# Altium PCB Main_R6.PcbDoc
Units mil, origin at the board's own origin, x right, y up, seen from the top; angles counter-clockwise.
Board outline 4400 x 4400 mil, 2 copper layers (Top Layer, Bottom Layer); 67 components, 58 nets, 207 pads, 20 vias.
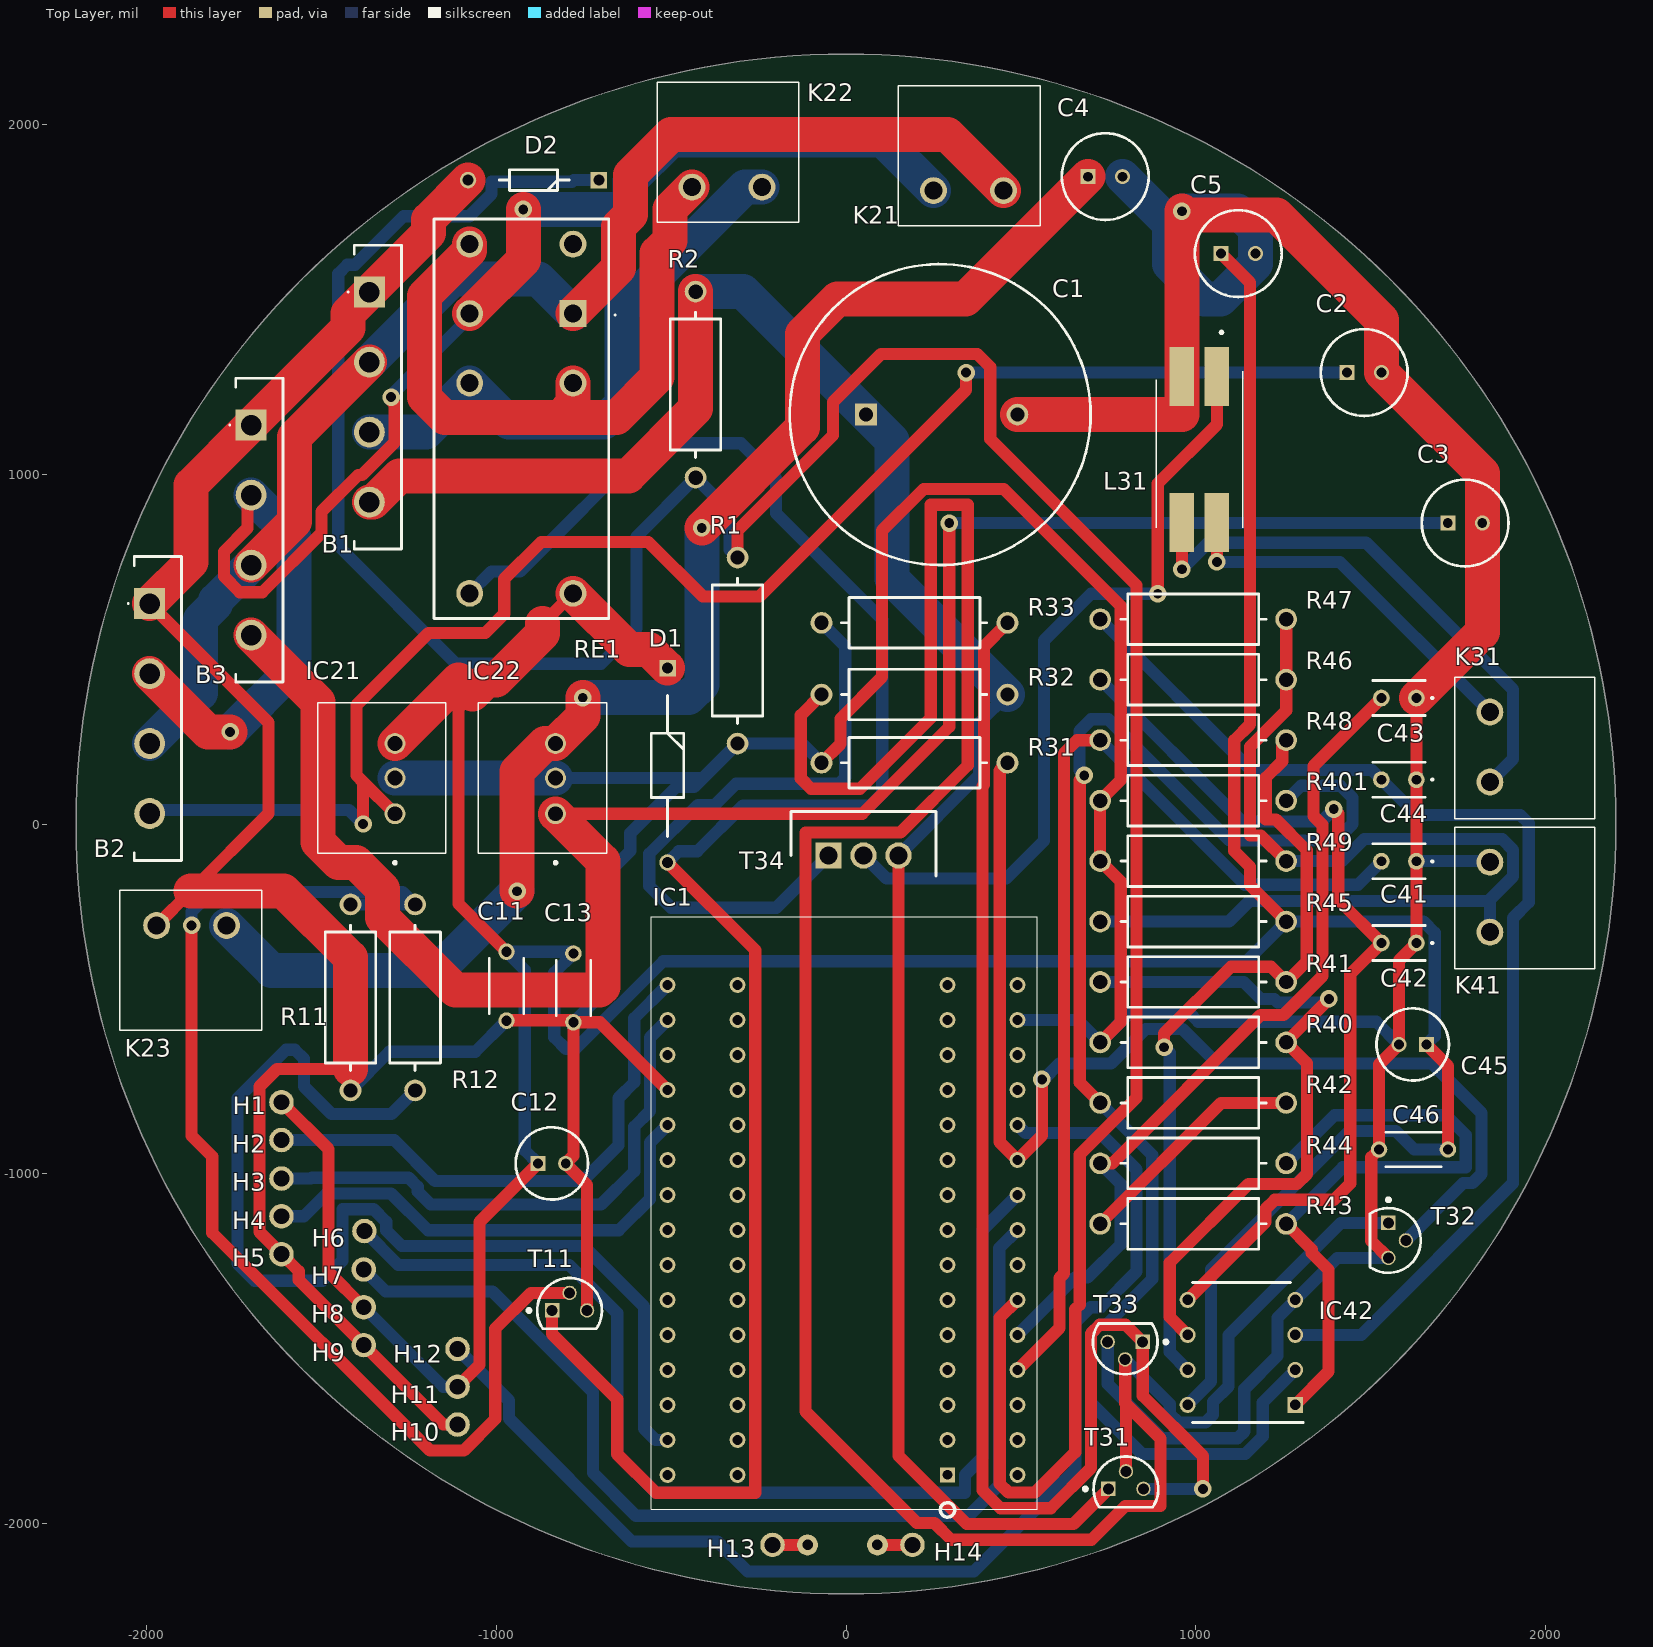
[diagram p0: Top Layer view]
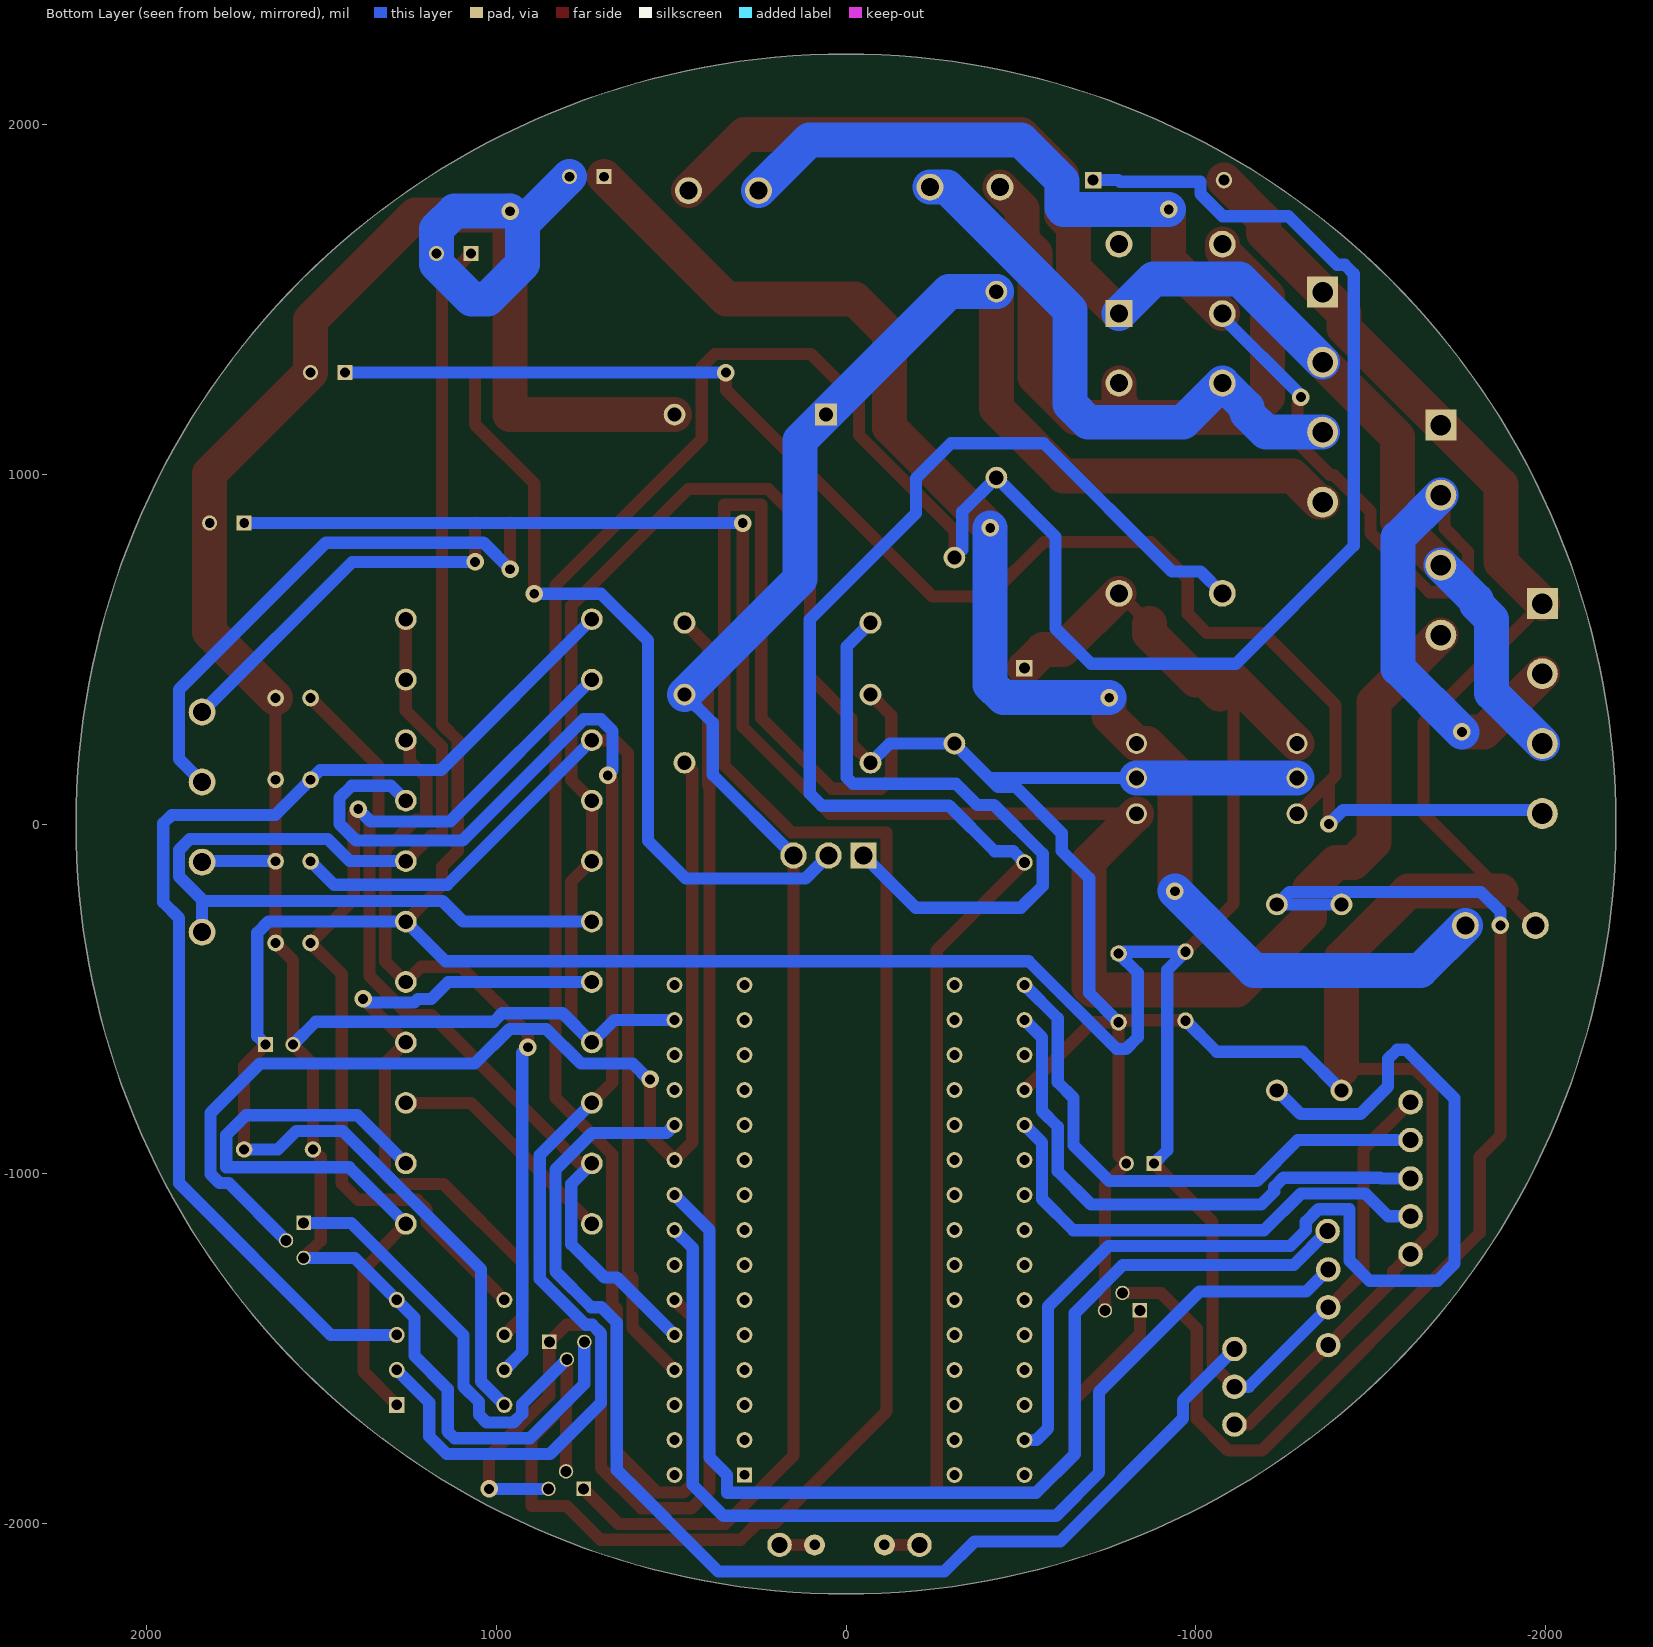
[diagram p1: Bottom Layer view, seen from below]
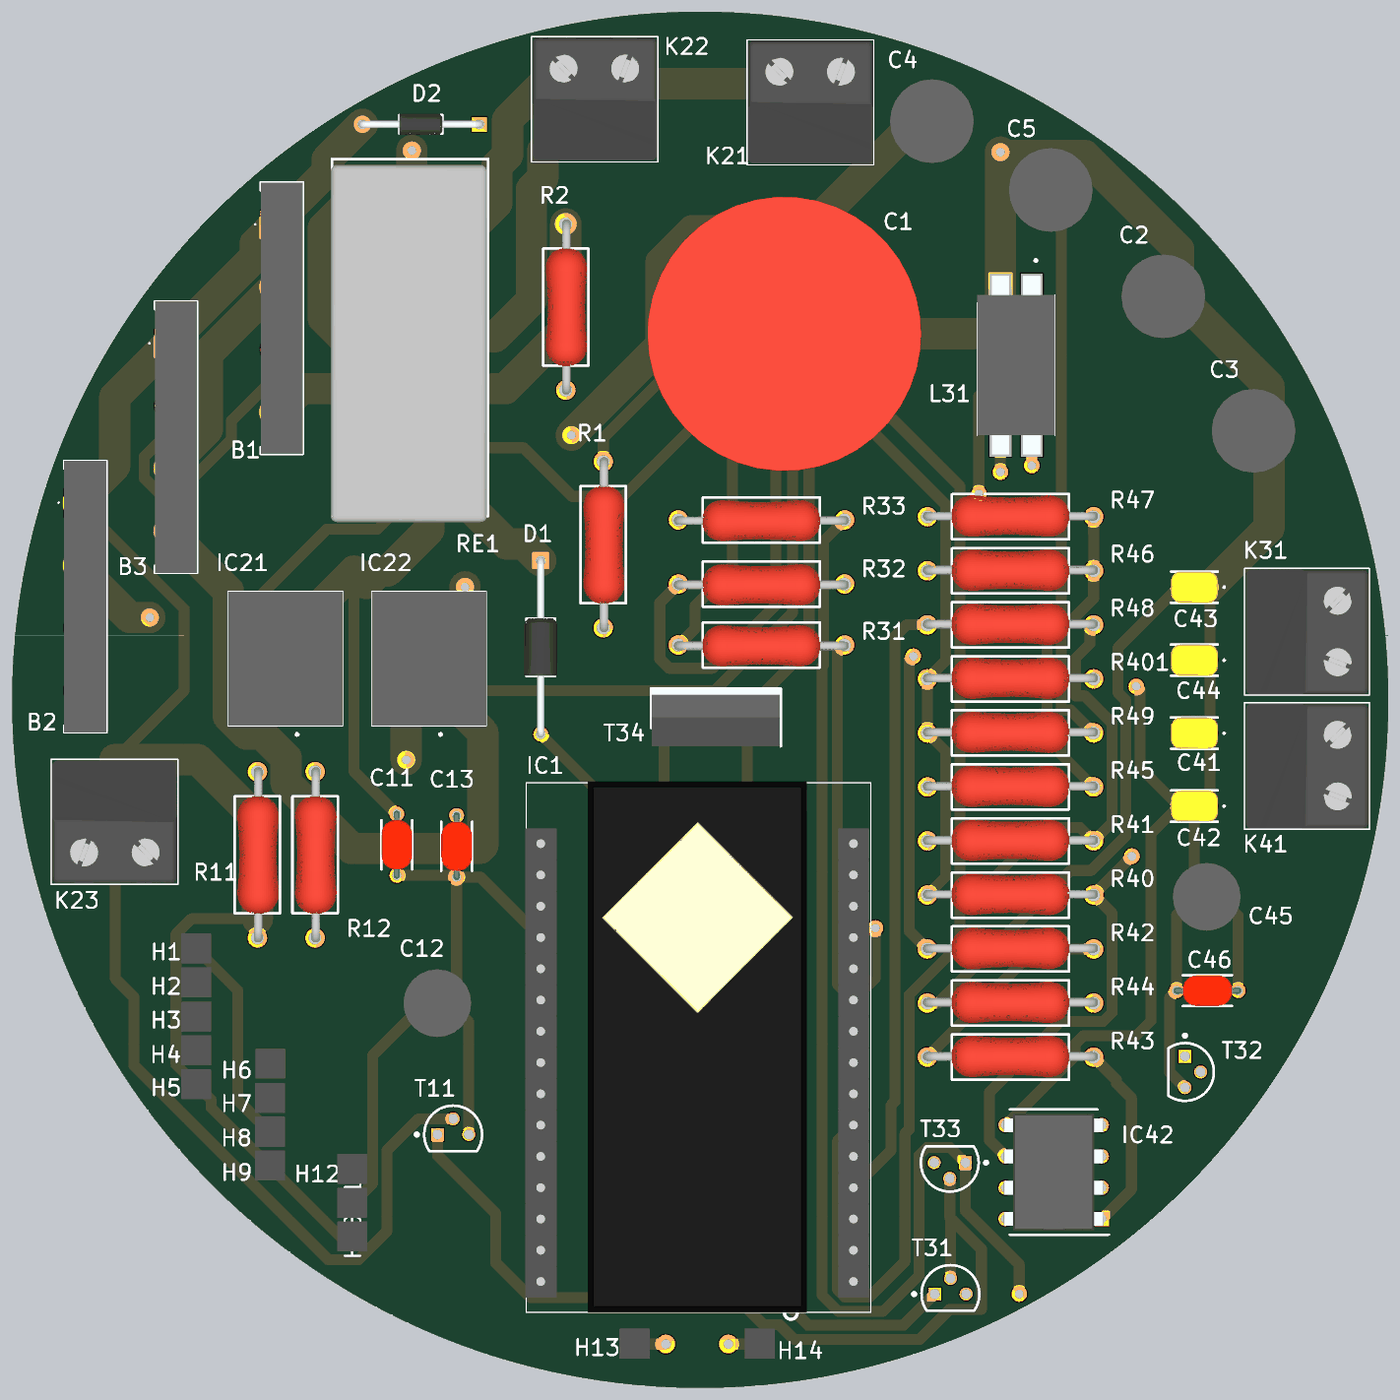
[diagram p2: 3D render of the assembled board from above, using the file's embedded part models]

## Layer stack, top to bottom
Top Solder: solder mask 0.4, Solder Resist, Dk 3.5
Top Layer: signal copper 1.4
Dielectric 1: dielectric 12.6, FR-4, Dk 4.8
Bottom Layer: signal copper 1.4
Bottom Solder: solder mask 0.4, Solder Resist, Dk 3.5

## Board outline
-2200,0 ccw(c0,0) 0,-2200 ccw(c0,0) 2200,0 ccw(c0,0) 0,2200 ccw(c0,0)

## Design rules (kind name [scope] priority, off if disabled: settings)
Clearance [All] p1: gap=10 ignorepadtopadclearanceinfootprint=FALSE except(0: Arc-Hole Track-Hole SMDPad-Hole THPad-Hole Via-Hole Fill-Hole Poly-Hole Region-Hole Text-Hole)
Height [All] p1: minheight=0 maxheight=2000 prefheight=500
PolygonConnect [All] p1: connectstyle=Relief reliefconductorwidth=10 reliefentries=4 polygonreliefangle="90 Angle" airgapwidth=10
RoutingVias [All] p1: holewidth=28 width=50 viastyle="Through Hole" minholewidth=28 minwidth=50 maxholewidth=28 maxwidth=50
SolderMaskExpansion [All] p1: expansion=4 istentingtop=FALSE
Width [All] p1: maxlimit=120 minlimit=20 preferedwidth=35 minimp=50.000000 maximp=50.000000 favimp=50.000000
29 further rules are at their usual default settings.

## Classes and differential pairs
component class Sensor_Temp: C41 C42 C43 C44 C45 C46 IC42 K41 R40 R41 R42 R43 R44 R45 R46 R47 R48 R49 R401
component class PWM: K31 L31 R31 R32 R33 T31 T32 T33 T34
component class Processor: C11 C12 C13 H1 H2 H3 H4 H5 H6 H7 H8 H9 H10 H11 H12 H13 H14 IC1 R11 R12 T11
component class Power: B1 B2 B3 C1 C2 C3 C4 C5 D1 D2 IC21 IC22 K21 K22 K23 R1 R2 RE1

## Components (designator, comment, footprint, x,y, rotation, side; value= is the part's Value field where it differs from the comment)
B1 "Bridge_Classic" GBU6JE345 -1361.74,1520 r90 top
B2 "Bridge_Classic" GBU6JE345 -1990,630 r90 top
B3 "Bridge_Classic" GBU6JE345 -1700,1140 r90 top
C1 "4700µF" CAP_4700UF_50V 57,1170 r0 top
C2 "100µF" CAPPRD250W52D630H1250 1431.57,1290 r0 top
C3 "100µF" CAPPRD250W52D630H1250 1720,860 r0 top
C4 "10µF" CAPPRD250W52D630H1250 691.57,1850 r0 top
C5 "10µF" CAPPRD250W52D630H1250 1071.57,1630 r0 top
C11 "100n" RDE5C1H330J0M1H03A -970,-561.85 r90 top
C12 "10µ/50V" CAPPRD200W50D525H1250 -880,-970 r0 top
C13 "100n" RDE5C1H330J0M1H03A -778.89,-566.85 r90 top
C41 "10nF" C315C103K5R5TA7303 1630,-106.67 r180 top
C42 "10nF" C315C103K5R5TA7303 1630,-340 r180 top
C43 "10nF" C315C103K5R5TA7303 1630,360 r180 top
C44 "10nF" C315C103K5R5TA7303 1630,126.67 r180 top
C45 "10µF" CAPPRD200W50D525H1250 1658.74,-630 r180 top
C46 "100nF" RDE5C1H330J0M1H03A 1720,-930 r180 top
D1 "" 1N4007 -510,445.12 r270 top
D2 "5V1" DIOAD950W60L350D150 -705.98,1840 r180 top
H1 "HFS" Header_F_S -1613.08,-795 r270 top
H2 "HFS" Header_F_S -1613.08,-903.01 r270 top
H3 "HFS" Header_F_S -1613.08,-1013.01 r270 top
H4 "HFS" Header_F_S -1613.08,-1121.02 r270 top
H5 "HFS" Header_F_S -1613.08,-1229.03 r270 top
H6 "HFS" Header_F_S -1376.16,-1163.01 r270 top
H7 "HFS" Header_F_S -1378.08,-1273.01 r270 top
H8 "HFS" Header_F_S -1378.08,-1381.02 r270 top
H9 "HFS" Header_F_S -1378.08,-1489.03 r270 top
H10 "HFS" Header_F_S -1110,-1716.02 r90 top
H11 "HFS" Header_F_S -1110,-1608.01 r90 top
H12 "HFS" Header_F_S -1110,-1500 r90 top
H13 "HFS" Header_F_S -210,-2060 r0 top
H14 "HFS" Header_F_S 190,-2060 r0 top
IC1 "Nano_Every_ATM4809" Every_Nano_4809 290,-1860 r0 top
IC21 "OKI-78SR-5_1.5-W36-C" OKI78SR515W36C -1288.83,29.21 r90 top
IC22 "OKI-78SR-5_1.5-W36-C" OKI78SR515W36C -830,29.21 r90 top
IC42 "Dual_Opamp" DIP781W56P254L950H533Q8N 1130,-1510 r180 top
K21 "TBLOCK_2P" TBLOCK_2P 250,1810 r0 top
K22 "TBLOCK_2P" TBLOCK_2P -440,1820 r0 top
K23 "+5V LED" TBLOCK_2P -1770,-290 r180 top
K31 "TBLOCK_2P" TBLOCK_2P 1840,320 r270 top
K41 "TBLOCK_2P" TBLOCK_2P 1840,-108.95 r270 top
L31 "Common_Mode_Choke" 2545 1010,1070 r180 top
R1 "10K" VISHAY_CMF_60 -310,230 r90 top
R2 "68K" VISHAY_CMF_60 -430,990 r90 top
R11 "47K" VISHAY_CMF_60 -1415.87,-761.5 r90 top
R12 "10K" VISHAY_CMF_60 -1231.45,-761.5 r90 top
R31 "4K7" VISHAY_CMF_60 -70,175 r0 top
R32 "4K7" VISHAY_CMF_60 -70,370 r0 top
R33 "100E" VISHAY_CMF_60 -70,575 r0 top
R40 "100E" VISHAY_CMF_60 1257.84,-624.24 r180 top
R41 "18K" VISHAY_CMF_60 1257.84,-451.49 r180 top
R42 "18K" VISHAY_CMF_60 1257.84,-797 r180 top
R43 "18K" VISHAY_CMF_60 1257.84,-1142.51 r180 top
R44 "5K6" VISHAY_CMF_60 1257.84,-969.75 r180 top
R45 "1M" VISHAY_CMF_60 1257.84,-278.73 r180 top
R46 "5K6" VISHAY_CMF_60 1257.84,412.29 r180 top
R47 "5K6" VISHAY_CMF_60 1257.84,585.05 r180 top
R48 "5K6" VISHAY_CMF_60 1257.84,239.54 r180 top
R49 "10M" VISHAY_CMF_60 1257.84,-105.98 r180 top
R401 "100E" VISHAY_CMF_60 1257.84,66.78 r180 top
RE1 "RELAY_GENERAL_PURPOSE" RT424005F -780,1458.43 r90 top
T11 "BC547" ONSC-TO-92-3-29-11 -790,-1390 r0 top
T31 "BC547" ONSC-TO-92-3-29-11 800,-1900 r0 top
T32 "BC547" ONSC-TO-92-3-29-11 1550,-1190 r270 top
T33 "BC557" ONSC-TO-92-3-29-11 797.9,-1480 r180 top
T34 "IRF9Z34NPBF" IRF9Z34NPBF -50,-90 r0 top

## Footprints (in the part's own frame and the unit in brackets; to place one, negate y for a bottom-side part, rotate by r counter-clockwise, add the part's x,y. Pads: shape width x height; smd on the part's side, far side on the other; paste and mask are expansions set on the pad)
1N4007 [mm] "Rectifiers Diode, DO-41, 1000V, 1A"
  rect 1.2x1.2 hole 0.8: 1(0,0)
  round 1.2 hole 0.8: 2(14.1,0)
  silkscreen extent 1.98,-1.17 12.22,1.17, body extent -0.29,-1.34 14.34,1.34, height 2.7
2545 [mm]
  rect 1.78x4.27 smd: 1(-1.27,-5.305) 2(1.27,-5.305) 3(1.27,5.305) 4(-1.27,5.305)
  silkscreen extent -3.15,-8.6 3.15,5.69, body extent -3.15,-7.26 3.15,7.26, height 9.6
C315C103K5R5TA7303 [mm]
  round 1.217 hole 0.71: 1(0,0) 2(2.54,0)
  silkscreen extent -1.2,-1.27 3.17,1.27, body extent -0.64,-1.28 3.17,1.27, height 3.5
CAP_4700UF_50V [mil]
  rect 62x62 hole 40: 1(0,0)
  round 62 hole 40: 2(433,0)
  silkscreen extent -218,-430 642,430, body extent -225,-437 649,437, height 1684
CAPPRD200W50D525H1250 [mm]
  rect 1.1x1.1 / inner round 1.1 / far side rect 1.1x1.1 hole 0.7: 1(0,0)
  round 1.1 hole 0.7: 2(2,0)
  silkscreen extent -1.62,-2.62 3.63,2.62, body extent -1.74,-2.75 3.75,2.75, height 12.5
CAPPRD250W52D630H1250 [mm]
  rect 1.1x1.1 hole 0.7: 1(0,0)
  round 1.1 hole 0.7: 2(2.5,0)
  silkscreen extent -1.9,-3.15 4.4,3.15, body extent -2.14,-3.4 4.65,3.4, height 12.5
DIOAD950W60L350D150 [mm]
  rect 1.2x1.2 hole 0.8: 1(0,0)
  round 1.2 hole 0.8: 2(9.5,0)
  silkscreen extent 2.16,-0.75 7.24,0.75, body extent -0.3,-0.84 9.8,0.84, height 1.7
DIP781W56P254L950H533Q8N [mm]
  rect 1.158x1.158 hole 0.758: 1(-3.905,3.81)
  round 1.158 hole 0.758: 2(-3.905,1.27) 3(-3.905,-1.27) 4(-3.905,-3.81) 5(3.905,-3.81) 6(3.905,-1.27) 7(3.905,1.27) 8(3.905,3.81)
  silkscreen extent -4.48,-5.08 3.56,5.08, body extent -4.04,-4.75 4.04,4.75, height 5.33
Every_Nano_4809 [mm] "Microcontroller"
  rect 1.1x1.1 / inner round 1.1 / far side rect 1.1x1.1 hole 0.7: 1(0,0)
  round 1.15 hole 0.75: 2(0,2.54) 3(0,5.08) 4(0,7.62) 5(0,10.16) 6(0,12.7) 7(0,15.24) 8(0,17.78) 9(0,20.32) 10(0,22.86) 11(0,25.4) 12(0,27.94) 13(0,30.48) 14(0,33.02) 15(0,35.56) 16(-15.24,35.56) 17(-15.24,33.02) 18(-15.24,30.48) 19(-15.24,27.94) 20(-15.24,25.4) 21(-15.24,22.86) 22(-15.24,20.32) 23(-15.24,17.78) 24(-15.24,15.24) 25(-15.24,12.7) 26(-15.24,10.16) 27(-15.24,7.62) 28(-15.24,5.08) 29(-15.24,2.54) 30(-15.24,0) 31(-20.32,0) 32(-20.32,2.54) 33(-20.32,5.08) 34(-20.32,7.62) 35(-20.32,10.16) 36(-20.32,12.7) 37(-20.32,15.24) 38(-20.32,17.78) 39(-20.32,20.32) 40(-20.32,22.86) 41(-20.32,25.4) 42(-20.32,27.94) 43(-20.32,30.48) 44(-20.32,33.02) 45(-20.32,35.56) 46(5.08,0) 47(5.08,2.54) 48(5.08,5.08) 49(5.08,7.62) 50(5.08,10.16) 51(5.08,12.7) 52(5.08,15.24) 53(5.08,17.78) 54(5.08,20.32) 55(5.08,22.86) 56(5.08,25.4) 57(5.08,27.94) 58(5.08,30.48) 59(5.08,33.02) 60(5.08,35.56)
  round 1.524 hole 0.762: 70(-10.16,-5.08) 71(-5.08,-5.08)
  silkscreen extent -21.5,-3.06 6.5,40.5, body extent -21.56,-2.5 6.38,40.62, height 12
GBU6JE345 [mm]
  rect 2.235x2.235 hole 1.49: 1(0,0)
  round 2.235 hole 1.49: 2(-5.08,0) 3(-10.16,0) 4(-15.24,0)
  silkscreen extent -18.64,-2.32 3.4,1.6, body extent -18.65,-2.32 3.4,1.11, height 18.9
Header_F_S [mil] "Header female single"
  round 70 hole 45.28: 1(0,0)
  body extent -48,-46 48,50, height 335
IRF9Z34NPBF [mm] "MOSFET MOSFT PCh -55V -17A 100mOhm 23.3nC"
  rect 1.92x1.92 / inner round 1.92 / far side rect 1.92x1.92 hole 1.28: 1(0,0)
  round 1.92 hole 1.28: 2(2.54,0) 3(5.08,0)
  silkscreen extent -2.73,-1.49 7.81,3.2, body extent -2.67,-1.5 7.75,3.19, height 18.84
OKI78SR515W36C [mm]
  round 1.519 hole 1.08: 1(0,0) 2(2.6,0) 3(5.1,0)
  silkscreen extent -3.6,-3.7 8.05,5.6, body extent -2.85,-3.7 8.05,5.6, height 16.6
ONSC-TO-92-3-29-11 [mm] "TO, 3-Leads, Body Dia 4.7mm, Pitch 1.27mm"
  rect 1.05x1.05 hole 0.8: 1(-1.27,0)
  round 1.05 hole 0.8: 2(0,1.27) 3(1.27,0)
  silkscreen extent -3.07,-1.34 2.35,2.35, body extent -2.35,-1.33 2.36,2.36, height 7.87
RDE5C1H330J0M1H03A [mm]
  round 1.2 hole 0.75: 1(0,0) 2(5,0)
  silkscreen extent 0.5,-1.25 4.5,1.25, body extent -0.25,-1.25 5.25,1.25, height 6.32
RT424005F [mm] "General Purpose Relays DPDT 8A 5VDC GEN PURPOSE RELAY"
  rect 1.95x1.95 hole 1.3: 11(0,0)
  round 1.95 hole 1.3: 12(-5.04,0) 14(5.04,0) 21(0,7.5) 22(-5.04,7.5) 24(5.04,7.5) A1(-20.3,0) A2(-20.3,7.5)
  silkscreen extent -22.13,-3.1 6.87,10.1, body extent -22.61,-2.5 6.39,10.2, height 15.8
TBLOCK_2P [mm]
  round 1.95 hole 1.3: 1(0,0) 2(5.08,0)
  silkscreen extent -2.54,-2.54 7.75,7.62, body extent -2.46,-2.43 7.7,7.57, height 7.71
VISHAY_CMF_60 [mm] "Vishay CMF 60 series"
  round 1.575 hole 1.05: 1(0,0) 2(13.5,0)
  silkscreen extent 1.45,-1.84 11.99,1.84, body extent -0.35,-1.74 13.85,1.63, height 3.68

## Part data
B1 B2 B3: "Bridge Rectifiers 6.0 Amp 600 Volt", Average Rectified Current-Max=0.8A, Forward Voltage=1V, Manufacturer="Diodes Inc", Package Description="4-Pin Small Outline Integrated Circuit, Body 4.7 x 3.8 mm, Pitch 2.5 mm", Package Reference=MiniDIP-4, Package Version=05/2016, Peak Current-Max=30A, Reverse Current-Max=5µA, Reverse Voltage-Max [Vrrm]=600V, Datasheet URL=http://www.diodes.com/_files/datasheets/ds17003.pdf, Datasheet Version="Rev. 13-2, 12/2010", Manufacturer URL=http://www.diodes.com/, Mounting Technology=SurfaceMount, Package URL=http://www.diodes.com/_files/packages/MiniDIP.pdf
C1: library part CAP_4700µF_50V, "Aluminium Electrolytic Capacitors - Radial Leaded WCAP-ATG8 4700uF 50V 20% Radial", Manufacturer_Name="Wurth Elektronik", Manufacturer_Part_Number=860040473003, Mouser Part Number=710-860040473003, Datasheet Link=https://componentsearchengine.com/Datasheets/2/860040473003.pdf, Height=12.5mm, Mouser Price/Stock=https://www.mouser.co.uk/ProductDetail/Wurth-Elektronik/860040473003?qs=0KOYDY2FL29v2%2FALxGsSIw%3D%3D
C2 C3: library part CAP_100µF_25V, "Aluminium Electrolytic Capacitors - Radial Leaded WCAP-ATUL 100uF 25V 20% Radial", Manufacturer_Name="Wurth Elektronik", Manufacturer_Part_Number=860040473003, Mouser Part Number=710-860040473003, Datasheet Link=https://componentsearchengine.com/Datasheets/2/860040473003.pdf, Height=12.5mm, Mouser Price/Stock=https://www.mouser.co.uk/ProductDetail/Wurth-Elektronik/860040473003?qs=0KOYDY2FL29v2%2FALxGsSIw%3D%3D
C4 C5 C45: library part CAP_10µF_50V, "Aluminium Electrolytic Capacitors - Radial Leaded WCAP-AT1H 10uF 50V 20% Radial", Manufacturer_Name="Wurth Elektronik", Manufacturer_Part_Number=860040473003, Mouser Part Number=710-860040473003, Datasheet Link=https://componentsearchengine.com/Datasheets/2/860040473003.pdf, Height=12.5mm, Mouser Price/Stock=https://www.mouser.co.uk/ProductDetail/Wurth-Elektronik/860040473003?qs=0KOYDY2FL29v2%2FALxGsSIw%3D%3D
C11 C13 C41 C42 C43 C44: library part C315C103K5R5TA7303, "GoldMax 300 Comm X7R, Ceramic, 0.01 uF, 10%, 50 VDC, 125 VDC, 125C, -55C, X7R, GoldMax, Commercial Standard, 2.5 % , 100 GOhms, 3.81mm, 3.14mm, 2.54mm, Lead Spacing = 2.54mm, 18mm, 0.51mm, 2500, 80", Manufacturer_Name=KEMET, Mouser Part Number=80-C315C103K5R-TR, Datasheet Link=https://content.kemet.com/datasheets/KEM_C1050_GOLDMAX_X7R.pdf, Geometry.Height=4.66mm, Manufacturer_Part_Number=C315C103K5R5TA7303, Mouser Price/Stock=https://www.mouser.co.uk/ProductDetail/KEMET/C315C103K5R5TA7303?qs=LJ1pyEEo5rYBfSJP9%252BZ%252BkA%3D%3D
C12: library part UKL1H100KDDANA, "Cap Aluminum Lytic 10uF 50V 10% (5 X 11mm) Radial 2mm 70mA 1000h 105C", Manufacturer_Name=Nichicon, Mouser Part Number=647-UKL1H100KDDANA, Datasheet Link=https://datasheet.datasheetarchive.com/originals/dk/DKDS-9/176714.pdf, Geometry.Height=12.5mm, Manufacturer_Part_Number=UKL1H100KDDANA, Mouser Price/Stock=https://www.mouser.co.uk/ProductDetail/Nichicon/UKL1H100KDDANA/?qs=LEOMo9F8%2FjG8Wr15FZX2LA%3D%3D
C46: library part CAP_100nF_50V, "CAP, 0.1UF, 50V, MLCC, RADIAL", Manufacturer_Name="Murata Electronics", Manufacturer_Part_Number=RDER71H104K0K1H03B, Mouser Part Number=81-RDER71H104K0K1H3B, Datasheet Link=https://psearch.en.murata.com/capacitor/product/RDER71H104K0K1H03B.html, Geometry.Height=5mm, Mouser Price/Stock=https://www.mouser.co.uk/ProductDetail/Murata-Electronics/RDER71H104K0K1H03B?qs=hNud%2FORuBR2GLaz%2FjAabyQ%3D%3D
D1: library part 1N4007, "Diode 1N4007", Manufacturer_Name=Diotec, Mouser Part Number=637-1N4007, Arrow Part Number=1N4007, Arrow Price/Stock=https://www.arrow.com/en/products/1n4007/diotec-semiconductor-ag?region=europe, Datasheet Link=https://diotec.com/tl_files/diotec/files/pdf/datasheets/1n4001.pdf, Manufacturer_Part_Number=1N4007, Mouser Price/Stock=https://www.mouser.co.uk/ProductDetail/Diotec-Semiconductor/1N4007?qs=OlC7AqGiEDmK9mU1uTiCkg%3D%3D
D2: library part ZEN_5V1_TH, "Zener Diode 5.1 Volt 0.5W 5%", Arrow Part Number=TZX5V1B-TR, Manufacturer_Name=Vishay, Mouser Part Number=78-TZX5V1B, Arrow Price/Stock=https://www.arrow.com/en/products/tzx5v1b-tr/vishay?region=nac, Datasheet Link=https://componentsearchengine.com/Datasheets/1/TZX5V1B-TR.pdf, Manufacturer_Part_Number=TZX5V1B-TR, Mouser Price/Stock=https://www.mouser.co.uk/ProductDetail/Vishay-Semiconductors/TZX5V1B-TR?qs=25SNtymhSqO6Jh%252BHM6pQoA%3D%3D
H1 H2 H3 H4 H5 H6 H7 H8 H9 H10 H11 H12 H13 H14: library part Head_F_S
IC21 IC22: "Non-Isolated DC/DC Converter 7.5W 12VIN 5VOUT 1.5A DC/DC", Arrow Part Number=OKI-78SR-5/1.5-W36-C, Manufacturer_Name="Murata Electronics", Mouser Part Number=580-OKI78SR5/1.5W36C, Arrow Price/Stock=https://www.arrow.com/en/products/oki-78sr-51.5-w36-c/murata-power-solutions?region=nac, Datasheet Link=https://www.murata.com/products/productdata/8807037992990/oki-78sr.pdf?1583754815000, Height=16.5mm, Manufacturer_Part_Number=OKI-78SR-5/1.5-W36-C, Mouser Price/Stock=https://www.mouser.co.uk/ProductDetail/Murata-Power-Solutions/OKI-78SR-5-1.5-W36-C?qs=uJpRT2lXVNXJP%252Bo08dQqJQ%3D%3D
IC42: Case/Package=PDIP, Input Bias Current=1pA, Input Offset Voltage (Vos)=4.5mV, Max Operating Temperature=125°C, Max Supply Voltage=6V, Min Operating Temperature=-40°C, Min Supply Voltage=1.8V, Nominal Supply Current=100uA, Operating Supply Voltage=5.5V, Output Current=23mA, Package Quantity=60, Power Supply Rejection Ratio (PSRR)=86dB, Voltage Gain=112dB, Amplifier Type="GENERAL PURPOSE", Bandwidth=1MHz, Common Mode Rejection Ratio=60dB, Gain Bandwidth Product=1MHz, Height=3.3mm, Input Offset Voltage-Max=4.5mV, Lead Free="Lead Free", Length=9.27mm, Mount="Through Hole", Number of Amplifiers=2, Number of Channels=2, Number of Circuits=2, Number of Elements=2, Number of Pins=8, Operating Supply Current=100uA, Output Current per Channel=23mA, Packaging=Rail/Tube, Radiation Hardening=No, REACH SVHC="No SVHC", RoHS Compliant=Yes, Slew Rate=0.6V/µs, Slew Rate-Nom=0.6V/µs, Supply Current=100uA, Technology=CMOS, Unity Gain Bandwidth Product=1MHz, Width=6.35mm
K21 K22 K31 K41: "Connector", Manufacturer_Name="Wurth Elektronik", Manufacturer_Part_Number=691104700002, Mouser Part Number=710-691104700002, Height=7.7mm, Mouser Price/Stock=https://www.mouser.co.uk/ProductDetail/Wurth-Elektronik/691104700002?qs=sPbYRqrBIVlxnZf2zP2Y8g%3D%3D
K23: library part TBLOCK_2P, "Connector", Manufacturer_Name="Wurth Elektronik", Manufacturer_Part_Number=691104700002, Mouser Part Number=710-691104700002, Height=7.7mm, Mouser Price/Stock=https://www.mouser.co.uk/ProductDetail/Wurth-Elektronik/691104700002?qs=sPbYRqrBIVlxnZf2zP2Y8g%3D%3D
L31: Case/Package=1808, Current=2A, Current Rating=2.3A, DC Resistance (DCR)=60mR, Insulation Resistance=10MR, Max Operating Temperature=85°C, Max Voltage Rating (DC)=50V, Min Operating Temperature=-40°C, Package Quantity=1, Test Frequency=100MHz, DC Current=2A, DC Resistance-Max=60mR, Depth=4.7mm, Element Configuration=Dual, Height=2mm, Impedance=900R, Lead Free="Lead Free", Length=0.185inch, Max Current Rating=2A, Max DC Current=2A, Mount="Surface Mount", Number of Lines=2, Number of Pins=4, Packaging="Tape and Reel", Radiation Hardening=No, REACH SVHC="No SVHC", RoHS Compliant=Yes, Series=ACM, Termination=Flat, Voltage Rating=50V, Voltage Rating (DC)=50V, Width=4.5mm
R1 R2 R11 R12 R31 R32 R33 R40 R41 R42 R43 R44 R45 R46 R47 R48 R49 R401: library part RES_68K_10K, "Through Hole 1W 10/68 Kohms 1%", Arrow Part Number=CMF6010K000FKEB, Manufacturer_Name=Vishay, Mouser Part Number=71-CMF6010K000FKEB, Arrow Price/Stock=https://www.arrow.com/en/products/cmf6010k000fkeb/vishay, Datasheet Link=https://datasheet.datasheetarchive.com/originals/distributors/Datasheets-DGA8/3123891.pdf, Manufacturer_Part_Number=CMF6010K000FKEB, Mouser Price/Stock=https://www.mouser.co.uk/ProductDetail/Vishay-Dale/CMF6010K000FKEB?qs=GEEnpASSx%2Fgpk8SPxIuFzw%3D%3D
RE1: Ambient Temperature Range High=+85°C, Ambient Temperature Range Low=-40°C, Coil Power=403mW, Coil Resistance=62Ω, Coil Voltage=5V, Current Rating=8A, Manufacturer="TE Connectivity", Manufacturer Part Number=RT424005, Automotive=No, Category=Relay, Coil Type=Non-Latching, ComponentLink2Description=Datasheet, ComponentLink2URL=https://www.te.com/commerce/DocumentDelivery/DDEController?Action=showdoc&DocId=Data+Sheet%7FRT2%7F1014%7Fpdf%7FEnglish%7FENG_DS_RT2_1014.pdf%7F5-1393243-9, Device Class L1=Electromechanical, Device Class L2=Relays, Device Class L3="Power Relays", Digikey Description="RELAY GENERAL PURPOSE DPDT 8A 5V", Height=15.7mm, Lead Free=Yes, Mouser Description="General Purpose Relay, Rt2 Series, Power, Non Latching, Dpdt, 5 Vdc, 8 A Rohs Compliant: Yes", Number Of Contacts=2, Octopart=https://octopart.com/5-1393243-9-te+connectivity-41835766, Package=RT424005, RoHS=TRUE, Throw Configuration=DPDT
T11 T31 T32: library part Transistor_NPN, Manufacturer="On Semiconductor", PartNumber=BC547C, ComponentLink1Description="Manufacturer URL", ComponentLink1URL=http://www.onsemi.com/, ComponentLink2Description=Datasheet, ComponentLink2URL=http://www.onsemi.com/pub_link/Collateral/BC546-D.PDF, ComponentLink3Description="Package Specification", ComponentLink3URL=http://www.onsemi.cn/pub_link/Collateral/2N6426-D.PDF, DatasheetVersion="Rev. 7", fT Min (MHz)=150, IC Continuous (A)=0.1, Mounting Technology="Through Hole", PackageDescription="3-Pin Transistor Outline, Body 4.825 x 3.685 mm, Pitch 1.27 mm", PackageReference=TO-92-3-29-11_AM_SL, PackageVersion="Rev. AM", Packing="Bulk Box", Polarity=NPN, RoHS=FALSE
T33: library part Transistor_PNP, Manufacturer="On Semiconductor", PartNumber=BC557C, ComponentLink1Description="Manufacturer URL", ComponentLink1URL=http://www.onsemi.com/, ComponentLink2Description=Datasheet, ComponentLink2URL=http://www.onsemi.com/pub_link/Collateral/BC556B-D.PDF, ComponentLink3Description="Package Specification", ComponentLink3URL=http://www.onsemi.cn/pub_link/Collateral/2N6426-D.PDF, DatasheetVersion="Rev. 3", IC Continuous (A)=-0.1, Mounting Technology="Through Hole", PackageDescription="3-Pin Transistor Outline, Body 4.825 x 3.685 mm, Pitch 1.27 mm", PackageReference=TO-92-3-29-11_AM_SL, PackageVersion="Rev. AM", Packing="Bulk Box", Polarity=PNP, RoHS=FALSE
T34: library part MOSFET_P, Continuous Drain Current Id=2.4A, Current Temperature=25°C, Drain Source Voltage Vds=20V, Manufacturer="Fairchild Semiconductor", On Resistance Rds(on)=52mohm, Operating Temperature Max=150°C, Operating Temperature Min=-55°C, Operating Temperature Range=-55°Cto+150°C, Package / Case=SOT-23, Package Description="3-Pin Small Outline Transistor, Body 2.92 x 1.4 mm, Pitch 0.95 mm", Package Reference=SSOT3L, Package Version="Rev. 3, 05/2015", Power Dissipation Pd=500mW, Pulse Current Idm=10A, Rds(on) Test Voltage Vgs=-4.5V, Threshold Voltage Vgs Typ=-800mV, Voltage Vds Typ=-20V, Voltage Vgs th Max=-1.5V, Current Id Max=2.4A, Datasheet URL=https://www.fairchildsemi.com/datasheets/FD/FDN304P.pdf, Datasheet Version="Rev. C, 01/2001", External Depth=2.5mm, External Length / Height=1.12mm, External Width=3.05mm, Full Power Rating Temperature=25°C, Manufacturer URL=https://www.fairchildsemi.com/, Mounting Technology=SurfaceMount, No. of Pins=3, Package URL=https://www.fairchildsemi.com/package-drawings/MA/MA03B.pdf, Reel Quantity=3000, SMD Marking=304P, SVHC=NoSVHC(19-Dec-2012), Tape Width=8mm, Termination Type=SMD, Transistor Case Style=SOT-23, Transistor Polarity=PChannel, Voltage Vds=20V, Voltage Vgs Max=-800mV, Voltage Vgs Rds on Measurement=-4.5V

## Via types
v1: diameter 50, hole 28, Top Layer to Bottom Layer, 20 vias

## Nets (pads, with @x,y where several pads share a name; then routed paths per layer and width w, separated by ;. In a path a pad name is that pad's centre, name@x,y a point inside that pad or via, vN(x,y) a via of type N, cw(c..) or ccw(c..) an arc to the next point about the centre after c; other vN are vias at no path point)
+5V: C5.1 C11.2 C12.1 C13.2 C45.1 C46.1 D1.1 H1.1 H8.1 H11.1 IC21.3 IC42.8 R45.1 RE1.A1 | length 11433.5
  Top Layer w35: H1.1 -1479,-929.08 -1479,-1280.1 H8.1 ; H11.1 -1047,-1545.01 -1047,-1137 C12.1 ; -1067.54,371.67 -1107.35,331.87 -1107.35,-227.65 C11.2 ; -866.89,572.32 RE1.A1 ; C5.1 1154.34,1547.23 1154.34,284.54 1109.34,239.54 1109.34,-77.23 1154.34,-122.23 1154.34,-175.23 R45.1 ; C45.1 1720,-691.26 C46.1
  Top Layer w100: IC21.3 -1107.35,411.48 -1067.54,371.67 -1027.73,411.48 -1000,411.48 -866.89,544.59 -866.89,572.32 ; RE1.A1 -618.79,498 -562.88,498 D1.1
  Bottom Layer w35: H8.1 -1151.09,-1608.01 H11.1 ; C12.1 -918,-932 -918,-417 C11.2 -783.89,-365 -783.89,-370 C13.2 -833.86,-424.97 -833.86,-609.28 -800,-643.14 -773.41,-643.14 -522.28,-392 1144.57,-392 R45.1 1650,-278.73 1682,-310.73 1682,-606.74 C45.1 ; IC42.8 1042.92,-1593.34 1042.92,-1272.08 1438,-877 1570.88,-877 1623.88,-930 C46.1
GND: B1.1 B2.1 B3.1 C1.2 C2.2 C3.2 C4.2 C5.2 C11.1 C12.2 C13.1 C41.1 C42.1 C43.1 C44.1 C45.2 C46.2 D2.2 H5.1 H9.1 H10.1 IC1.42 IC1.59 IC21.2 IC22.2 IC42.4 K23.2 K41.1 L31.2 R1.1 R11.1 R31.1 R40.2 R49.2 R401.2 T11.3 T32.3 T33.3 | length 20622.9
  Top Layer w35: B2.1 -1650,290 -1650,30 -1871,-191 K23.2 ; R11.1 -1415.87,-700 -1626,-700 -1676,-750 -1676,-1166.11 H5.1 -1564,-1278.11 -1564,-1303.11 H9.1 -1151.09,-1716.02 H10.1 ; C11.1 -969.15,-561 -778.89,-561 C13.1 ; T11.3 -740,-1031.26 C12.2 -778.89,-947.63 C13.1 ; IC1.42 -703.15,-566.85 C13.1 ; R31.1 -16,229 -16,301 103,420 103,838.34 222.16,957.5 450.5,957.5 785,623 785,125.43 R401.2 726,66.43 726,-105.63 R49.2 785,-164.63 785,-565.59 R40.2 ; T32.3 1501,-1191 1501,-952.15 C46.2 1523.15,-686.85 C45.2 1580,-390 C42.1 C41.1 C44.1 C43.1
  Top Layer w100: B2.1 -1872,748 -1872,968 B3.1 -1423,1417 -1423,1458.74 B1.1 -1193.23,1688.51 -1193.23,1726.77 D2.2 ; -1871,-191 -1607,-191 -1415.87,-382.13 -1415.87,-700 ; C1.2 960,1170 L31.2 v1(960,1751) 971,1740 1230,1740 1530,1440 C2.2 1818.43,1001.57 C3.2 1818.43,548.43 C43.1
  Bottom Layer w35: R11.1 -1305.37,-651 -1059.15,-651 C11.1 ; IC22.2 -408.43,131.57 ; C13.1 -695,-482.96 -695,-155 -616.23,-76.23 -616.23,-25.68 -484.87,105.67 -434.33,105.67 -408.43,131.57 ; R31.1 -125,230 R1.1 -408.43,131.57 ; IC1.59 662.11,-560 R40.2 810.09,-540.5 982,-540.5 1006.5,-565 1515,-565 C45.2 ; T33.3 747.9,-1600 903.2,-1755.3 1118.55,-1755.3 1138.35,-1735.5 1138.35,-1614.35 1233,-1519.69 1233,-1410.74 IC42.4 1403.74,-1240 T32.3 ; C41.1 1630,-106 1837.05,-106 K41.1
  Bottom Layer w100: IC21.2 -1288.4,132 -897,132 -896.57,131.57 IC22.2 ; C4.2 924,1716 924,1600 1024,1500 1070,1500 1170,1600 C5.2 1170,1700 1119,1751 v1(960,1751)
NetB1_+: B1.4 C1.1 R2.2 R32.2 T31.1 T34.3 | length 6003.3
  Top Layer w35: T34.3 150,-1805 345.14,-2000.14 649.86,-2000.14 T31.1
  Top Layer w100: B1.4 -1351.03,920 -1276.03,995 -622,995 -430,1187 R2.2
  Bottom Layer w35: T34.3 381,141 381,289.5 R32.2
  Bottom Layer w100: R2.2 -294.5,1521.5 C1.1 131,1096 131,700.49 R32.2
NetB1_~1: B1.2 B2.3 B3.3 K21.2 RE1.11 | length 3714.8
  Top Layer w100: B3.3 -1576,864 -1576,1105.74 B1.2 ; RE1.11 -650,1588.43 -650,1707.5 -616,1741.5 -616,1854 -500,1970 290,1970 K21.2
  Bottom Layer w100: B2.3 -1845,375 -1845,585 -1801,629 -1801,639 B3.3 ; B1.2 -1124.74,1557 -878.57,1557 RE1.11
NetB1_~2: B1.3 K22.2 RE1.22 | length 1671
  Bottom Layer w100: B1.3 -1200,1120 -1145.28,1174.72 -1145.28,1190 RE1.22 -963.28,1148 -692,1148 -640,1200 -640,1469 -289,1820 K22.2
NetB2_+: B2.4 C2.1 IC21.1 | length 4549
  Top Layer w35: v1@-1380,-0.28 -1380,120.38 ; IC21.1 -1380,120.38 ; v1(343,1290) 343,1240 -247,650 -409,650 -565,806 -870.89,806 -976.89,700 -976.89,600 -1030.89,546 -1193,546 -1399,340 -1399,139.38 -1380,120.38
  Bottom Layer w35: B2.4 -1980,40 -1420,40 v1(-1380,0) ; v1(343,1290) C2.1
NetB2_~1: B2.2 B3.2 K21.1 RE1.21 | length 4271.1
  Top Layer w35: B3.2 -1710.14,929.86 -1710.14,845.39 -1777.5,778.03 -1777.5,707.9 -1732.1,662.5 -1667.9,662.5 -1498.5,831.9 -1498.5,892.84 -1393.84,997.5 -1383.13,997.5 -1290.25,1090.39 -1290.25,1200.25 -1300,1210 v1(-1300,1220)
  Top Layer w100: B2.2 -1823,263 v1(-1760,263) ; RE1.21 -922,1611.7 v1(-922,1756)
  Bottom Layer w35: v1(-1300,1220) -1300,1224.06 -1075.28,1448.78 RE1.21
  Bottom Layer w100: v1(-1760,263) -1578,445 -1578,818 B3.2 ; v1(-922,1756) -622,1756 -617,1761 -617,1838 -500,1955 105,1955 K21.1
NetB3_+: B3.4 C3.1 IC22.1 | length 5497
  Top Layer w35: IC22.1 46.21,29.21 295,278 v1(295,860)
  Top Layer w100: B3.4 -1509,349 -1509,-51 -1450,-110 -1400,-110 -1324,-186 -1324,-266.83 -1115.83,-475 -704,-475 -695,-466 -695,-105.79 IC22.1
  Bottom Layer w35: v1(295,860) C3.1
NetC4_1: C4.1 IC22.3 K23.1 | length 4103.7
  Top Layer w100: v1(-940,-192) -940,150 -860,230 IC22.3 -752,308 v1(-752,361) ; v1(-412,846) -125,1133 -125,1400 -25,1500 341.57,1500 C4.1
  Bottom Layer w100: K23.1 -1642,-418 -1166,-418 v1(-940,-192) ; v1(-752,361) -450,361 -412,399 v1(-412,846)
NetC41_2: C41.2 IC1.49 R48.2 | length 2938.7
  Top Layer w35: IC1.49 609.73,-1440.27 609.73,-1297.42 622.84,-1284.31 622.84,202.38 660,239.54 R48.2
  Bottom Layer w35: R48.2 1139.33,-173.45 1463.22,-173.45 C41.2
NetC42_2: C42.2 IC42.5 R46.2 | length 2637.5
  Top Layer w35: IC42.5 1199,-1137.26 1199,-1100 1225,-1074 1394,-1074 1441,-1027 1441,-429 C42.2 1406.35,-216.35 1406.35,30.18 v1(1394,42.53)
  Bottom Layer w35: R46.2 1131.64,7 1358.47,7 v1(1394,42.53)
NetC43_2: C43.2 IC1.50 R44.2 | length 2400
  Top Layer w35: R44.2 760.86,-969.75 1184.61,-546 1250,-546 1361.35,-434.65 1361.35,-2.47 1336,22.88 1336,166 C43.2
  Bottom Layer w35: IC1.50 654.42,-1295.58 690.42,-1295.58 785,-1201 785,-1028.41 R44.2
NetC44_2: C44.2 IC42.3 R47.2 | length 3314.8
  Bottom Layer w35: R47.2 1156.9,154.5 1502.17,154.5 C44.2 1630.67,26 1926.83,26 1950.89,1.94 1950.89,-223.7 1906,-268.59 1906,-1026.24 1472.24,-1460 IC42.3
NetC61_1: 
NetC61_2: 
NetC62_2: 
NetC63_2: 
NetD1_2: D1.2 RE1.A2 T11.1 | length 5649.2
  Top Layer w35: T11.1 -840,-1457 -654,-1643 -654,-1800 -543,-1911 -259,-1911 -259,-361 D1.2
  Bottom Layer w35: RE1.A2 -1013,721.49 -931.51,721.49 -565,1088 -300,1088 -200,988 -200,888 103.5,584.5 103.5,86.85 69.15,52.5 -294.5,52.5 -425.06,-78.06 -478.06,-78.06 D1.2
NetD2_1: D2.1 IC1.51 R1.2 R2.1 | length 8711.8
  Top Layer w35: R1.2 -310,838.4 -37.4,1111 -37.4,1205.6 100,1343 375,1343 412,1306 412,1100 830,682 830,-782 667.84,-944.16 667.84,-1373.72 654.73,-1386.83 654.73,-1795.4 540,-1910.14 464.14,-1910.14 439,-1885 439,-1411 IC1.51
  Bottom Layer w35: D2.1 -777.98,1840 -782.98,1835 -1013,1835 -1013,1800 -1076,1737 -1264,1737 -1403,1598 -1425,1598 -1451,1572 -1451,795 -1114,458 -700,458 -599,559 -599,821 R2.1 -332,892 -332,783.5 R1.2
NetH2_1: H2.1 IC1.45 | length 1569.8
  Bottom Layer w35: H2.1 -1290.99,-903.01 -1174,-1020 -752,-1020 -650.14,-918.14 -650.14,-783.15 -605.14,-738.15 -605.14,-555.14 IC1.45
NetH3_1: H3.1 IC1.44 | length 1559.2
  Bottom Layer w35: H3.1 -1528.66,-1013.01 -1526.16,-1010.51 -1250,-1010.51 -1223.66,-1036.85 -1223.66,-1050 -1186.66,-1087 -700,-1087 -605.14,-992.14 -605.14,-864.86 -560.14,-819.86 -560.14,-610.14 IC1.44
NetH4_1: H4.1 IC1.41 | length 1393.4
  Bottom Layer w35: H4.1 -1549.17,-1121.02 -1483.66,-1055.51 -1300,-1055.51 -1194.51,-1161 -649.14,-1161 -560.14,-1072 -560.14,-910.14 IC1.41
NetH6_1: H6.1 IC1.54 | length 3174.6
  Bottom Layer w35: H6.1 -1279.17,-1260 -791,-1260 -654,-1397 -654,-1800 -543,-1911 339,-1911 340,-1910 340,-1860 390,-1810 390,-1160 IC1.54
NetH7_1: H7.1 IC1.53 | length 3030
  Bottom Layer w35: H7.1 -1315.09,-1336 -1010,-1336 -723,-1623 -723,-1854 -600,-1977 350,-1977 438,-1889 438,-1212 IC1.53
NetH12_1: H12.1 IC1.56 | length 3520.3
  Bottom Layer w35: H12.1 -963,-1647 -963,-1699 -612,-2050 -367,-2050 -281,-2136 365,-2136 654.73,-1846.27 654.73,-1425 698.82,-1380.91 728.09,-1380.91 830,-1279 830,-987 726,-883 513,-883 IC1.56
NetH13_1: H13.1 IC1.70 | length 100
  Top Layer w35: H13.1 IC1.70
NetH14_1: H14.1 IC1.71 | length 100
  Top Layer w35: IC1.71 H14.1
NetH61_H?: 
NetIC1_31: IC1.31
NetIC1_32: IC1.32 R12.1 | length 3099.6
  Bottom Layer w35: R12.1 -1298.95,-829 -1470,-829 -1549,-750 -1549,-671 -1575,-645 -1600,-645 -1739,-784 -1739,-1256 -1690,-1305 -1496,-1305 -1438.66,-1247.66 -1438.66,-1100.51 -1350,-1100.51 -1313.66,-1136.85 -1313.66,-1161.87 -1269.53,-1206 -749.81,-1206 -577,-1378.81 -577,-1727 -544,-1760 IC1.32
NetIC1_33: IC1.33
NetIC1_34: IC1.34
NetIC1_35: IC1.35
NetIC1_36: IC1.36
NetIC1_37: IC1.37
NetIC1_38: IC1.38
NetIC1_39: IC1.39
NetIC1_40: IC1.40
NetIC1_43: IC1.43
NetIC1_46: IC1.46
NetIC1_48: IC1.48
NetIC1_52: IC1.52
NetIC1_55: IC1.55 R31.2 T32.2 | length 3308.9
  Top Layer w35: R31.2 439,152.5 439,-909 IC1.55 560,-890 v1(560,-730)
  Bottom Layer w35: v1(560,-730) 564.06,-730 609.47,-684.59 757.41,-684.59 856.5,-585.5 961.5,-585.5 1060.59,-684.59 1674.71,-684.59 1816.12,-826 1816.12,-1000 1790,-1026.12 1763.88,-1026.12 T32.2
NetIC1_58: IC1.58
NetIC42_1: IC42.1 R43.1 R44.1 | length 1873.5
  Top Layer w35: R43.1 1331,-1215.67 1331,-1226 1379,-1274 1379,-1564.74 IC42.1
  Bottom Layer w35: R43.1 1419.23,-981.12 1771.12,-981.12 1771.12,-888.68 1714.44,-832 1395.6,-832 R44.1
NetIC42_2: IC42.2 R42.2 R401.1 | length 4154.6
  Top Layer w35: v1(681,139) 667.84,125.84 667.84,-738.49 R42.2
  Bottom Layer w35: v1(681,139) 667,153 667,266 700,299 750,299 1096,-47 1400,-47 1447,0 1447,75 1412.5,109.5 1300.56,109.5 R401.1 ; R42.2 875,-945.65 875,-1300 744,-1431 725,-1431 699.73,-1456.27 699.73,-1654.17 845.86,-1800.3 1140.7,-1800.3 1190.99,-1750 1190.99,-1652.75 IC42.2
NetIC42_6: IC42.6 R40.1 R41.2 | length 1979.5
  Top Layer w35: IC42.6 925,-1408.74 925,-1254 1150,-1029 1288,-1029 1317,-1000 1317,-683.4 R40.1 ; R40.1@1257.84,-622.16 v1(1380,-500)
  Bottom Layer w35: R41.2 1136.49,-451.49 1185,-500 1223.62,-500 1233.61,-509.99 1370.01,-509.99 v1(1380,-500)
NetIC42_7: IC42.7 R41.1 R48.1 | length 2239.9
  Top Layer w35: v1(909,-638) 909,-599 1100,-408 1214.36,-408 R41.1 1316.35,-392.98 1316.35,-75 1228.58,12.77 1199.34,12.77 1199.34,132.04 1246.3,179 1246.3,227.99 R48.1
  Bottom Layer w35: v1(909,-638) 925,-654 925,-1508.74 IC42.7
NetK22_1: K22.1 RE1.12 RE1.24 | length 1927.9
  Top Layer w100: RE1.24 -1075.28,1638.6 -1205,1508.87 -1205,1219.58 -1146.42,1161 -819,1161 ; RE1.12 -780,1200 -819,1161 ; K22.1 -503,1757 -503,1668 -540,1631 -540,1277 -656,1161 -780,1161 -819,1161
NetK31_1: K31.1 L31.4 | length 1069.8
  Top Layer w35: v1(1060,749) L31.4
  Bottom Layer w35: v1(1060,749) 1411,749 K31.1
NetK31_2: K31.2 L31.3 | length 1575.9
  Top Layer w35: v1(960,728) L31.3
  Bottom Layer w35: v1(960,728) 1036,804 1486,804 1906,384 1906,186 K31.2
NetK41_2: K41.2 R45.2 R46.1 R47.1 R49.1 | length 2882
  Top Layer w35: R49.1 1184.87,-33 1154.34,-33 1154.34,220.5 1257.84,324 R46.1 1258,412.29 1258,528.84 1257.84,529 R47.1
  Bottom Layer w35: R45.2 1094.27,-278.73 1153,-220 1840,-220 ; R49.1 1418.02,-105.98 1480.94,-43.06 1875,-43.06 1905.89,-73.95 1905.89,-150 1840,-215.89 1840,-220 ; K41.2 1840,-220
NetL31_1: L31.1 T34.2 | length 2231.4
  Top Layer w35: v1(891,658) 891,973 1060,1142 L31.1
  Bottom Layer w35: T34.2 116,-156 458,-156 566,-48 566,524 700,658 v1(891,658)
NetR11_2: R11.2 R12.2 T11.2 | length 3419.7
  Top Layer w35: v1(-1870,-290) -1870,-891 -1811,-950 -1811,-1168 -1189,-1790 -1092,-1790 -1002,-1700 -1002,-1442 -900,-1340 T11.2
  Bottom Layer w35: v1(-1870,-290) -1870,-250 -1814,-194 -1267.45,-194 R12.2 R11.2
NetR32_1: R32.1 T31.2 T32.1 T33.2 | length 7436.9
  Top Layer w35: R32.1 -129,311 -129,130 -100,101 40,101 242,303 242,912.5 348,912.5 348,168.03 155.97,-24 -116,-24 -116,-1679 202.5,-1997.5 253,-1997.5 300.64,-2045.14 701.86,-2045.14 798,-1949 899,-1949 899,-1756 800,-1657 ; T33.2 797.9,-1654.9 800,-1657 ; T31.2 800,-1657
  Bottom Layer w35: T33.2 925,-1657.1 925,-1685.3 950,-1710.3 1027,-1710.3 1049,-1688.3 1049,-1651 1093,-1607 1093,-1461 1414,-1140 T32.1
NetR33_1: R33.1 T34.1 | length 1812
  Bottom Layer w35: R33.1 -2,507 -2,133 -20,115 -314.07,115 -375,54.07 -423.14,54.07 -562,-84.79 -562,-177 -500,-239 -199,-239 T34.1
NetR33_2: R33.2 T31.3 T33.1 | length 4111.4
  Top Layer w35: R33.2 394,507.5 394,112 390,108 390,-1904 441.14,-1955.14 585,-1955.14 699.73,-1840.4 699.73,-1456.27 725,-1431 798.9,-1431 T33.1 847.9,-1633.9 1020,-1806 v1(1020,-1900)
  Bottom Layer w35: T31.3 v1(1020,-1900)
NetR42_1: R42.1 R43.2 | length 674.6
  Top Layer w35: R43.2 1071.86,-797 R42.1
pads on no net: IC1.1 IC1.2 IC1.3 IC1.4 IC1.5 IC1.6 IC1.7 IC1.8 IC1.9 IC1.10 IC1.11 IC1.12 IC1.13 IC1.14 IC1.15 IC1.16 IC1.17 IC1.18 IC1.19 IC1.20 IC1.21 IC1.22 IC1.23 IC1.24 IC1.25 IC1.26 IC1.27 IC1.28 IC1.29 IC1.30 IC1.47 IC1.57 IC1.60 RE1.14

## Silkscreen, mask and mechanical layers (free items; w line width, h text height)
Mechanical 1:
  circle w10: c0,0 r2200